# Altium PCB PLD.PcbDoc (part 1 of 4) (continued)
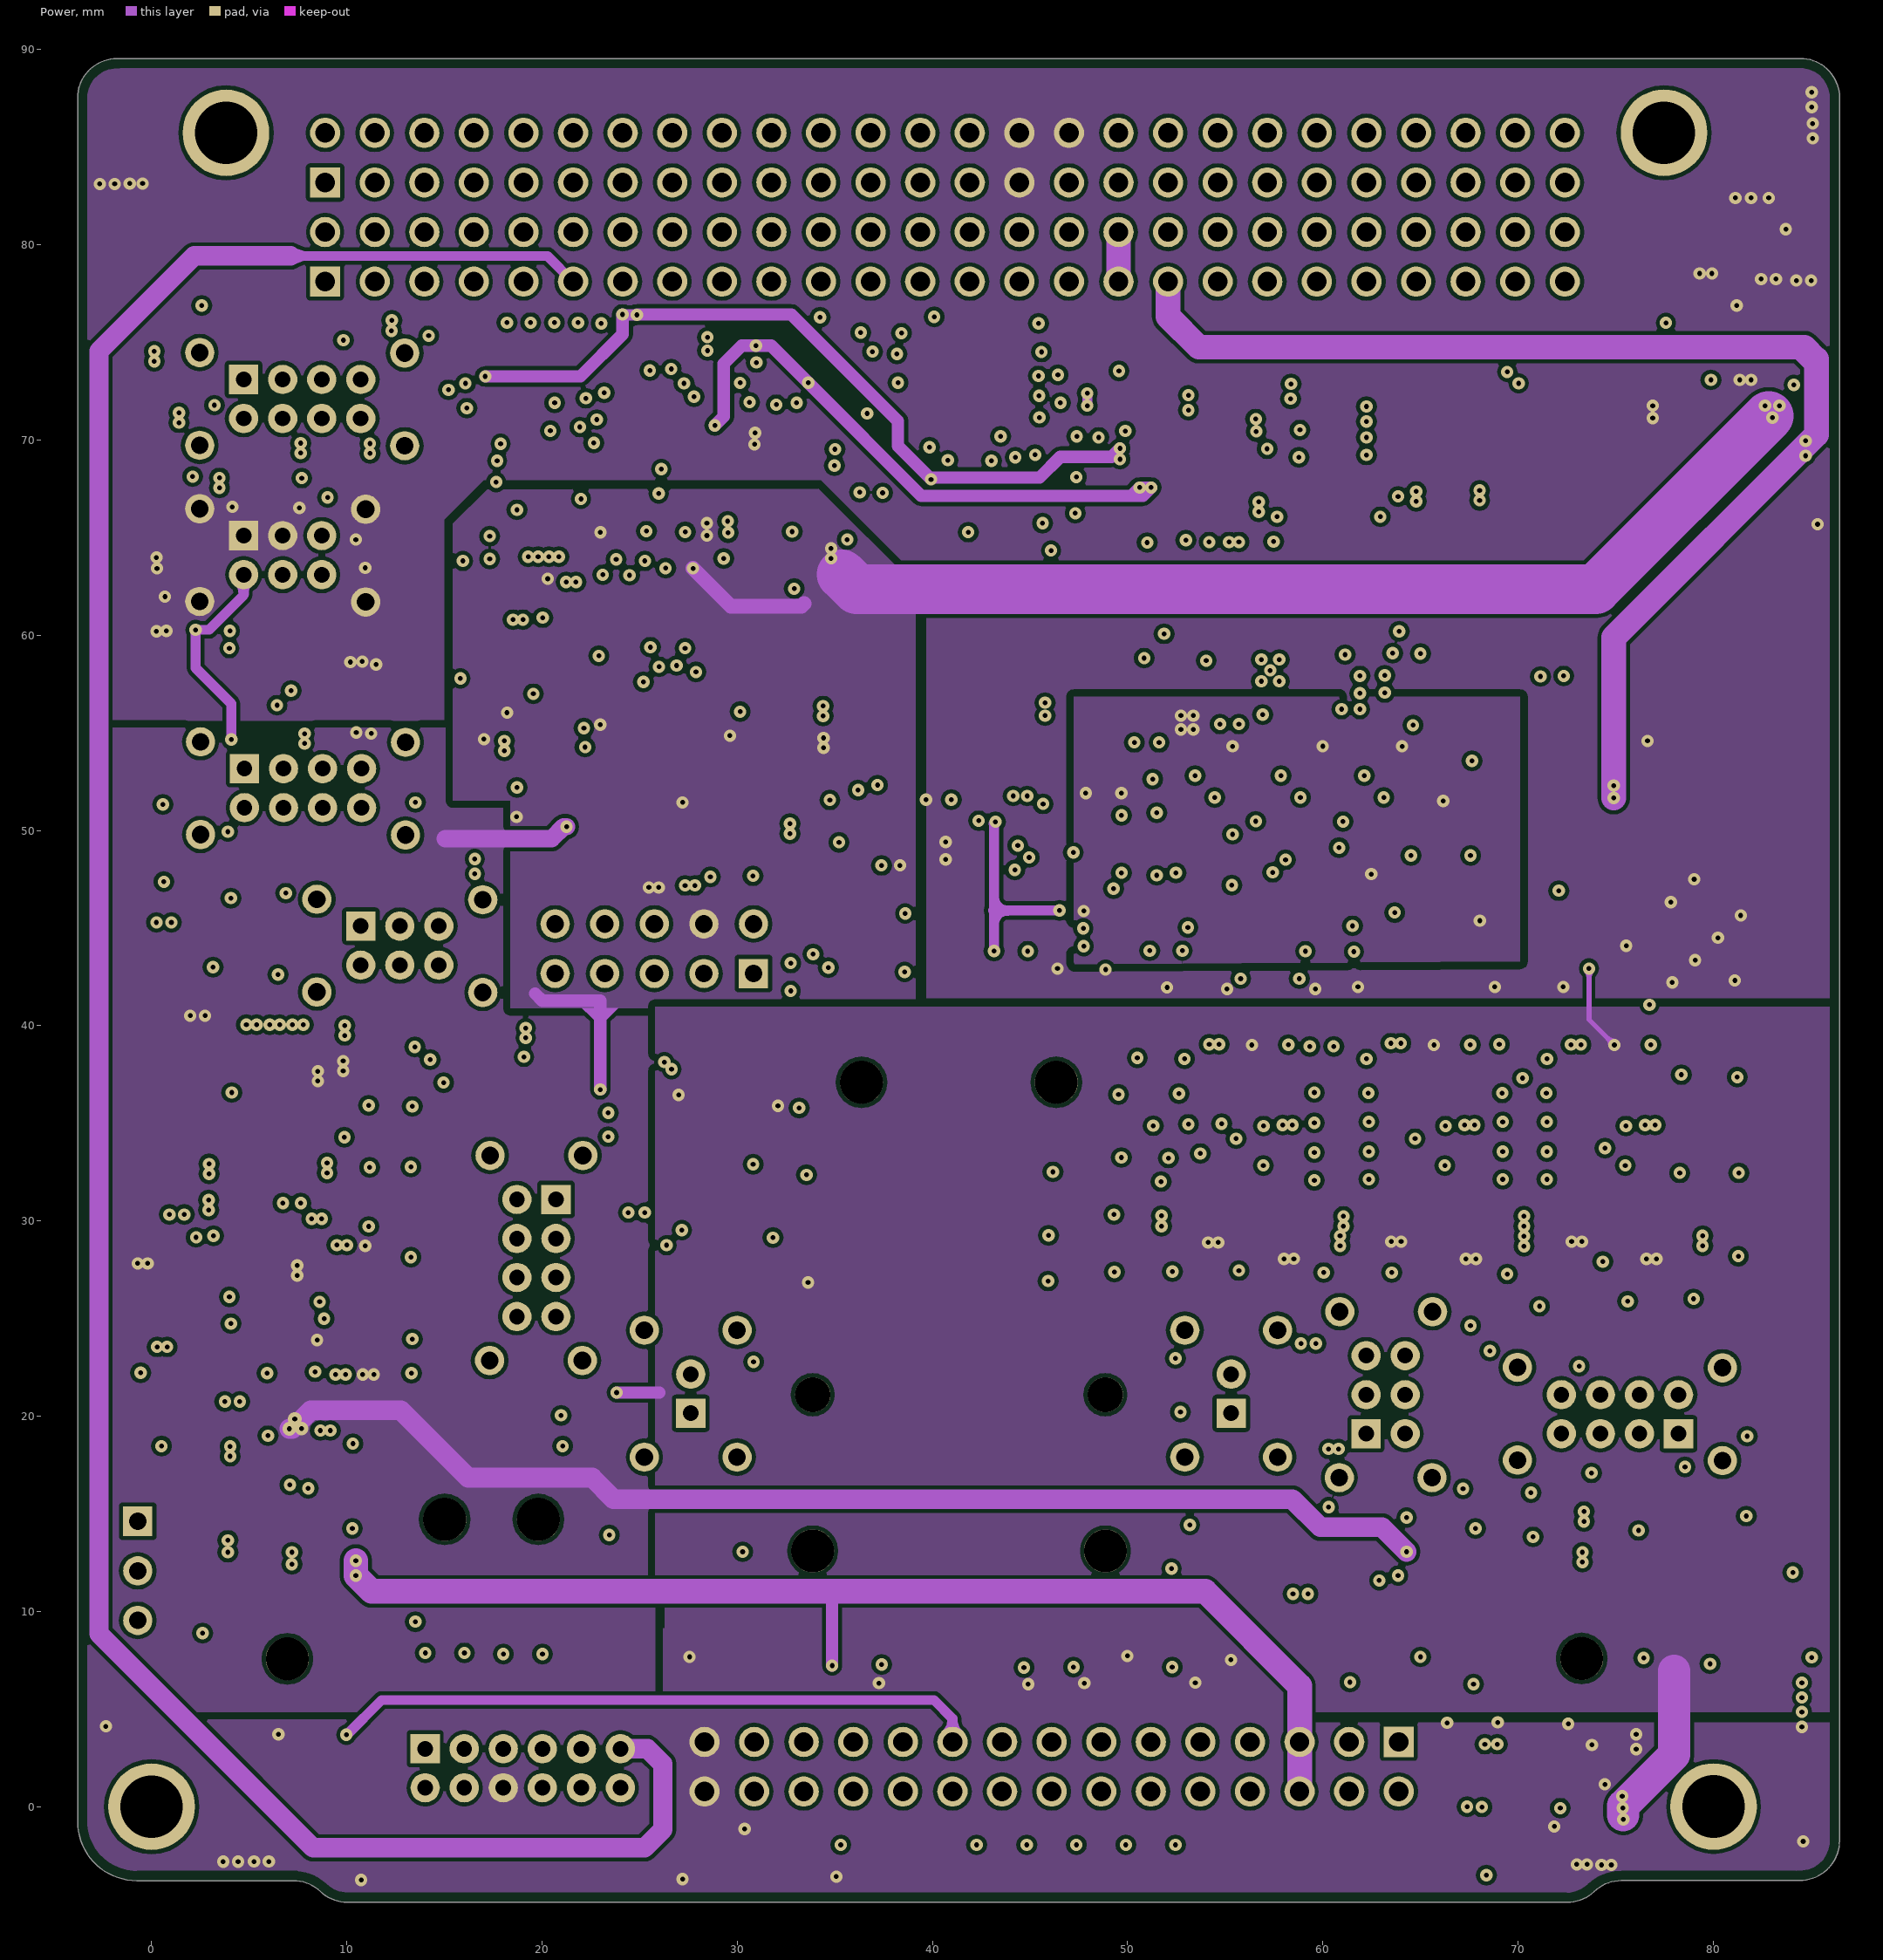
[diagram p4: Power]
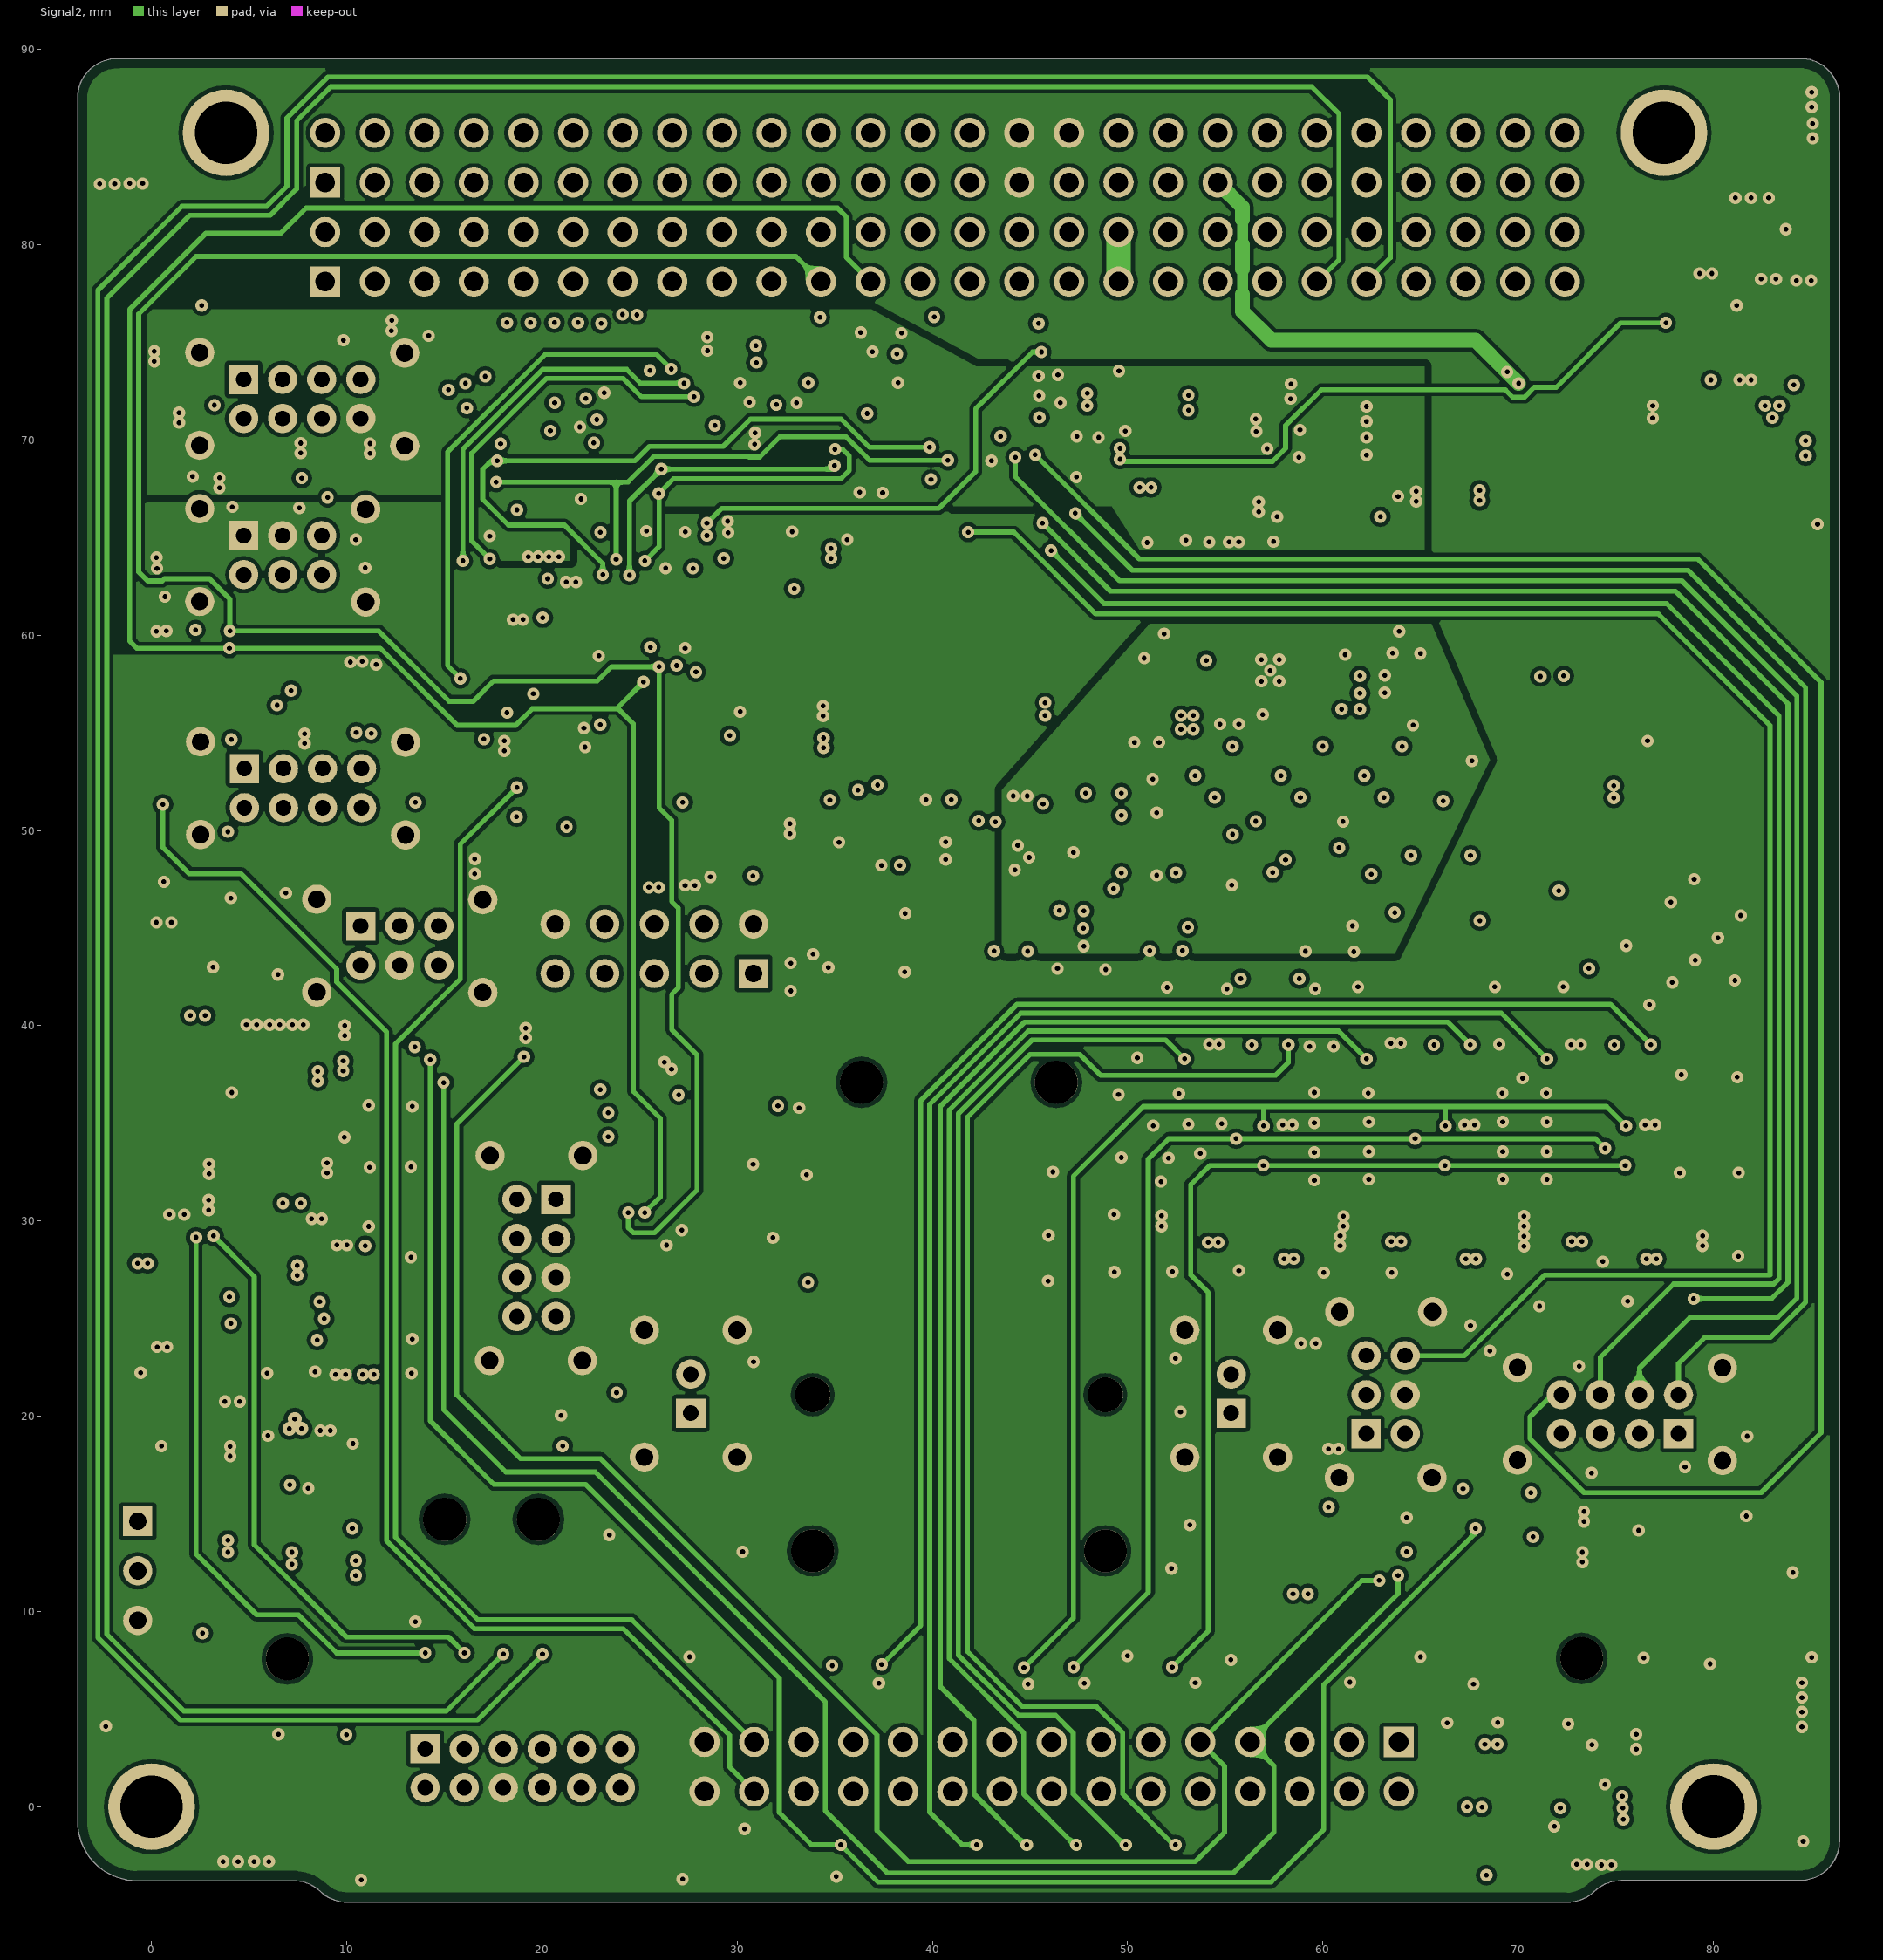
[diagram p5: Signal2]
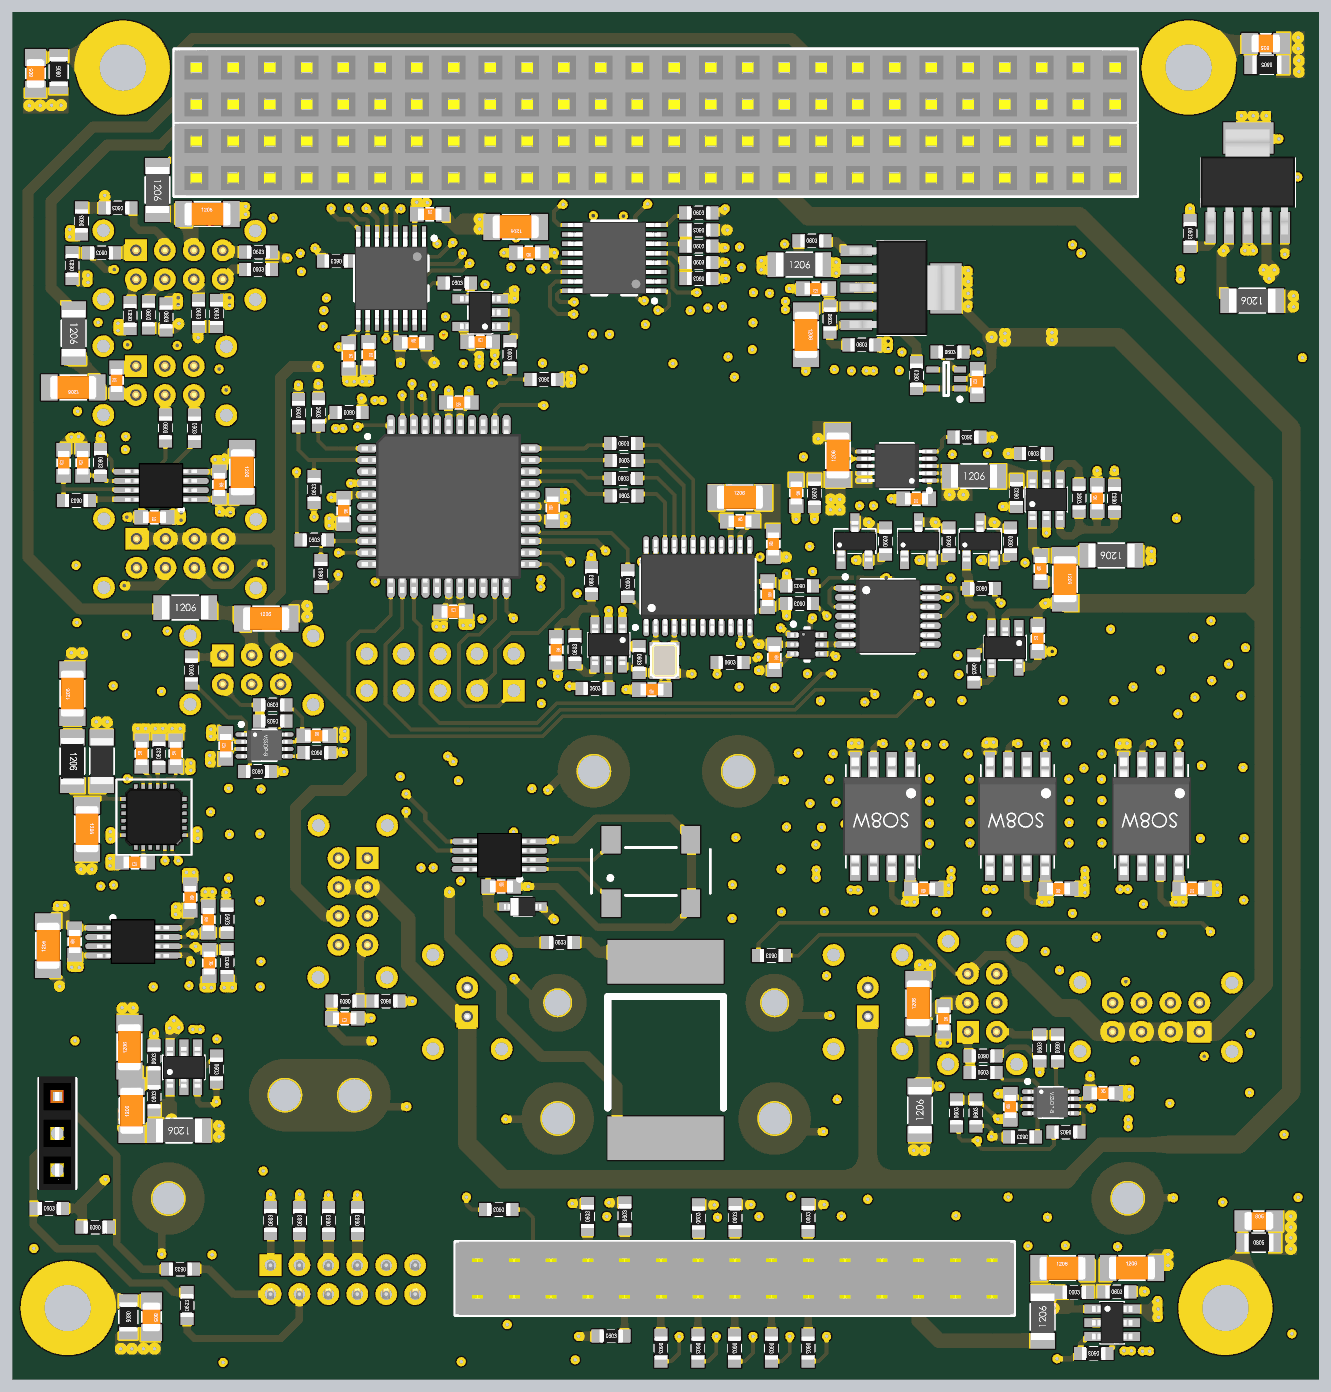
[diagram p9: 3D render of the assembled board from above, using the file's embedded part models]
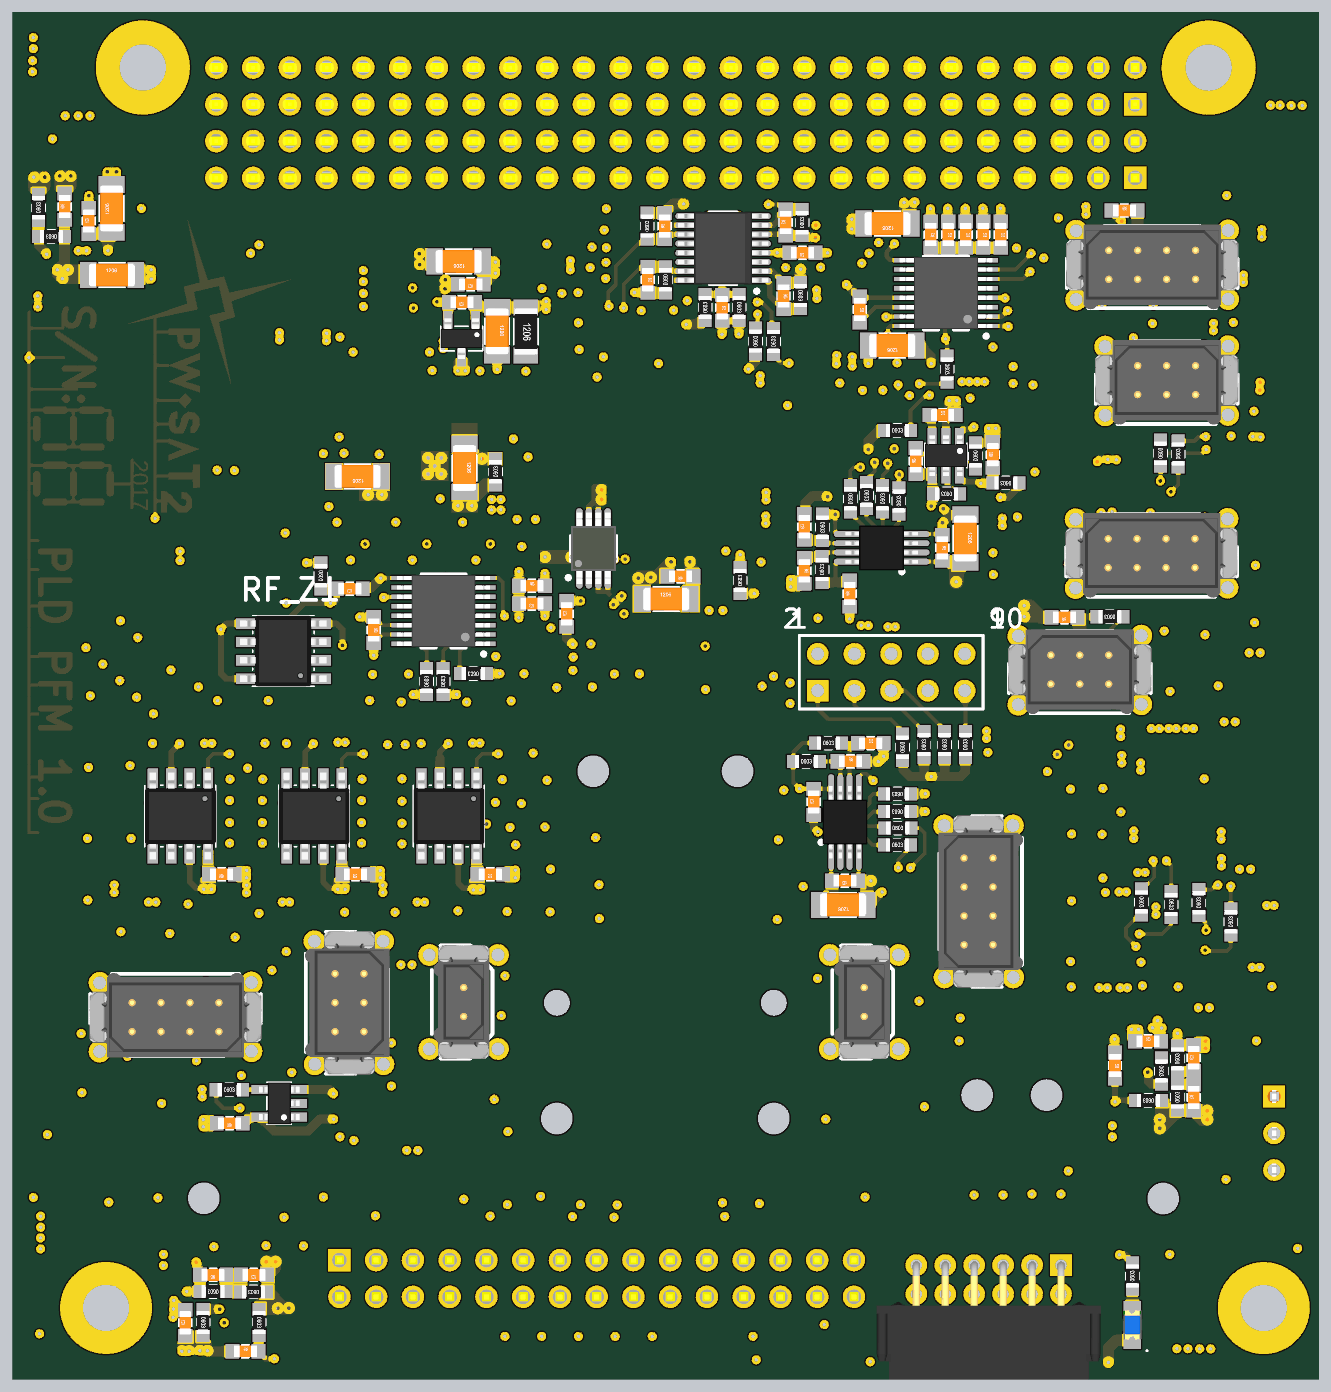
[diagram p10: 3D render of the assembled board from below, using the file's embedded part models]

## Layer stack, top to bottom
Top: signal copper 0.0356
Dielectric 1: core 0.32, FR-4, Dk 4.8
GND: signal copper 0.036
Dielectric 3: core 0.254, Dk 4.2
Signal Layer 1: signal copper 0.036
Dielectric 7: prepreg 0.127, Dk 4.2
Power: signal copper 0.036
Dielectric 6: prepreg 0.127, Dk 4.2
Signal2: signal copper 0.036
Dielectric 5: core 0.254, Dk 4.2
Bottom: signal copper 0.0356

## Board outline
-0.768,-3.789 7.264,-3.789 cw(c7.264,-5.789) 8.646,-4.344 ccw(c10.029,-2.899) 10.029,-4.899 72.514,-4.901 ccw(c72.514,-2.901) 73.9,-4.343 cw(c75.285,-5.785) 75.286,-3.785 84.252,-3.786 84.423,-3.782 ccw(c84.423,-1.742) 86.463,-1.742 86.463,87.536 ccw(c84.463,87.536) 84.463,89.536 84.463,89.537 -1.628,89.537 -1.786,89.529 ccw(c-1.786,87.529) -3.786,87.529 -3.786,-0.771 ccw(c-0.768,-0.771)

## Design rules (kind name [scope] priority, off if disabled: settings)
BoardOutlineClearance [All] p1: gap=0.5 ignorepadtopadclearanceinfootprint=FALSE
Clearance "Dense footprint" [HasFootprint('SMD_RESISTOR_ARRAY_YC124')  Or HasFootprint('MSOP-8') Or HasFootprint('VSSOP-8') Or HasFootprint('TSSOP14') Or HasFootprint('MSOP-10-M-thermal-pad') vs IsPad] p1: gap=0.178 ignorepadtopadclearanceinfootprint=FALSE except(0: Arc-Hole Track-Hole SMDPad-Hole THPad-Hole Via-Hole Fill-Hole Poly-Hole Region-Hole Text-Hole)
Clearance [All] p2: gap=0.203 ignorepadtopadclearanceinfootprint=FALSE except(0: Arc-Hole Track-Hole SMDPad-Hole THPad-Hole Via-Hole Fill-Hole Poly-Hole Region-Hole Text-Hole; 0.381: Poly-Poly)
ComponentClearance [All] p1: gap=0.01 collisioncheckmode=3 verticalgap=0 showdistances=TRUE
HoleSize [All] p1: absolutevalues=TRUE maxlimit=5.08 minlimit=0.025 maxpercent=80.000 minpercent=20.000
PlaneConnect [All] p1: planeconnectstyle=Direct reliefexpansion=0.508 reliefentries=4 reliefconductorwidth=0.254 reliefairgap=0.254
PolygonConnect [All] p1: connectstyle=Direct reliefconductorwidth=0.254 reliefentries=4 polygonreliefangle="90 Angle" airgapwidth=0.254
RoomDefinition "FRAM Memory 2" [InComponentClass('FRAM Memory 2')] p1: confinementstyle=ConfineIn formatcopy=TRUE lockcomponents=FALSE outline 61.239,27.761 68.631,27.761 68.631,38.556 61.239,38.556
RoomDefinition "FRAM Memory 1" [InComponentClass('FRAM Memory 1')] p2: confinementstyle=ConfineIn formatcopy=TRUE lockcomponents=FALSE outline 70.485,27.761 77.876,27.761 77.876,38.556 70.485,38.556
RoomDefinition "FRAM Memory 3" [InComponentClass('FRAM Memory 3')] p3: confinementstyle=ConfineIn formatcopy=TRUE lockcomponents=FALSE outline 51.918,27.761 59.309,27.761 59.309,38.556 51.918,38.556
RoomDefinition "Flash Memory 3" [InComponentClass('Flash Memory 3')] p4: confinementstyle=ConfineIn formatcopy=TRUE lockcomponents=FALSE outline 51.964,27.483 60.651,27.483 60.651,40.869 51.964,40.869
RoomDefinition "Flash Memory 2" [InComponentClass('Flash Memory 2')] p5: confinementstyle=ConfineIn formatcopy=TRUE lockcomponents=FALSE outline 61.286,27.483 69.973,27.483 69.973,40.869 61.286,40.869
RoomDefinition "Flash Memory 1" [InComponentClass('Flash Memory 1')] p6: confinementstyle=ConfineIn formatcopy=TRUE lockcomponents=FALSE outline 70.532,27.483 79.219,27.483 79.219,40.869 70.532,40.869
RoomDefinition Filter [InComponentClass('Filter')] p7: confinementstyle=ConfineIn formatcopy=TRUE lockcomponents=FALSE outline 47.345,47.194 52.552,47.194 52.552,51.385 47.345,51.385
RoomDefinition "I2C Repeater for PLD" [InComponentClass('I2C Repeater for PLD')] p8: confinementstyle=ConfineIn formatcopy=TRUE lockcomponents=FALSE outline 19.732,47.88 32.305,47.88 32.305,57.684 19.732,57.684
RoomDefinition "PC-104 Stack Connector" [InComponentClass('PC-104 Stack Connector')] p9: confinementstyle=ConfineIn formatcopy=TRUE lockcomponents=FALSE outline 6.661,76.414 74.225,76.414 74.225,87.59 6.661,87.59
RoomDefinition "SunS Ref. Interface" [InComponentClass('SunS Ref. Interface')] p10: confinementstyle=ConfineIn formatcopy=TRUE lockcomponents=FALSE outline -2.417,67.168 20.25,67.168 20.25,80.199 -2.417,80.199
RoomDefinition "LMT87 for supply" [InComponentClass('LMT87 for supply')] p11: confinementstyle=ConfineIn formatcopy=TRUE lockcomponents=FALSE outline 58.108,63.004 58.108,65.927 59.52,65.927 59.52,66.628 62.443,66.628 62.443,65.495 63.473,65.495 63.473,62.522 62.249,62.522 62.249,62.552 59.053,62.552 59.053,63.004
RoutingVias [All] p1: holewidth=0.2 width=0.635 viastyle="Through Hole" minholewidth=0.2 minwidth=0.635 maxholewidth=0.2 maxwidth=0.635
ShortCircuit [All vs IsText] p1: allowed=TRUE
SolderMaskExpansion [All] p1: expansion=0.102
Width [All] p1: maxlimit=5.08 minlimit=0.203 preferedwidth=0.254 midlayer2_maxwidth=1.27 midlayer3_maxwidth=1.27 minimp=50.000000 maximp=50.000000 favimp=50.000000
26 further rules are at their usual default settings.

## Classes and differential pairs
component class MemoryInterface: MEM_R1 MEM_R2 MEM_R3 MEM_R4 MEM_R5 MEM_R6 MEM_R7 MEM_R8 MEM_R9
net class PWR_AP: EPS_RTN PC-104_EPS_Kill-Switch_Pri PC-104_EPS_Kill-Switch_Sec PC-104_EPS_MPPT_X PC-104_EPS_MPPT_Y+ PC-104_EPS_MPPT_Y-
net class HK: HK_3V3 HK_3V3_OBC LMT87_SUPPLY
net class PWR_PLD: CAM_NADIR_3V3 CAM_WING_3V3 RF_5V SENS_3V3D SENS_4V1A SENS_4V5A STACK_CAM_NADIR_3V3 STACK_CAM_WING_3V3 STACK_SENS_5V STACK_SUNS_3V3 SUNS_3V3 SUNSREF_5V
net class UART_AP: NetAP_R1_1 NetAP_R2_1 NetAP_R3_1 NetAP_R4_1
net class PT1000: NetADC_C8_1 NetCONN_H3_6 NetCONN_H4_5 NetCONN_H4_7 NetCONN_H5_6 NetCONN_H6_6 NetCONN_H6_8 PT1000_SADS PT1000_SAIL
net class Photodiodes: IN_A IN_B IN_C IN_D OUT_A OUT_B OUT_C OUT_D
component class Gyroscopes: Gyro_C1 Gyro_C2 Gyro_C3 Gyro_C4 Gyro_C5 Gyro_FB1 Gyro_R1 Gyro_R2 Gyro_U1
channel class PLD_FRAM-Memory: "FRAM Memory 1" "FRAM Memory 2" "FRAM Memory 3"
channel class PLD_Flash-Memory: "Flash Memory 1" "Flash Memory 2" "Flash Memory 3"
component class RadFET_ADC: ADC_J2 RF_C1 RF_C2 RF_C3 RF_C4 RF_C5 RF_C6 RF_C7 RF_R1 RF_R2 RF_R25 RF_R26 RF_R27 RF_U1 RF_U2 RF_U3
component class "FRAM Memory 3": "FRAM_C1_FRAM Memory 3" "U4_FRAM Memory 3"
component class "FRAM Memory 2": "FRAM_C1_FRAM Memory 2" "U4_FRAM Memory 2"
component class "Flash Memory 2": "Flash_C1_Flash Memory 2" "Flash_U1_Flash Memory 2"
component class "Flash Memory 1": "Flash_C1_Flash Memory 1" "Flash_U1_Flash Memory 1"
component class "PLD Top": OBC_D1 OBC_R1 SADS_RTD1
component class Watchdog: RF_C20 RF_C21 RF_R21 RF_R22 RF_U10
component class "SunS Ref. Interface": SunSref_R1 SunSref_R2 SunSref_R3 SunSref_R4 SunSref_R5 SunSref_R6 SunSref_R7 SunSref_R8 SunSref_R9 SunSref_R10
component class RTC: RTC_C1 RTC_C2 RTC_D1 RTC_R1 RTC_U1 RTC_XT1
component class PLD_Connectors: CONN_C1 CONN_C2 CONN_C3 CONN_C4 CONN_H1 CONN_H2 CONN_H3 CONN_H4 CONN_H5 CONN_H6 CONN_H7 CONN_H8 CONN_H9 CONN_H10 CONN_P1 CONN_R1 CONN_R2 CONN_R3 CONN_R4 CONN_R5 MNT1 MNT2 MNT3 MNT4
component class "Piggyback Connector": PG_R1 Piggyback_H1
component class "PC-104 Stack Connector": H1 H2
component class "Local Supply": SUPP_C1 SUPP_C2 SUPP_C3 SUPP_C4 SUPP_C5 SUPP_C6 SUPP_C7 SUPP_C8 SUPP_C9 SUPP_C10 SUPP_C11 SUPP_C12 SUPP_C13 SUPP_C14 SUPP_C15 SUPP_C16 SUPP_C17 SUPP_C18 SUPP_C19 SUPP_C20 SUPP_C21 SUPP_C22 SUPP_C23 SUPP_C24 SUPP_C25 SUPP_C26 SUPP_C27 SUPP_C28 SUPP_C29 SUPP_C30 SUPP_C31 SUPP_C32 SUPP_FB1 SUPP_FB2 SUPP_FB3 SUPP_FB4 SUPP_FB5 SUPP_FB6 SUPP_FB7 SUPP_FB8 SUPP_FB9 SUPP_R1 SUPP_R2 SUPP_R3 SUPP_R4 SUPP_R5 SUPP_R6 SUPP_R7 SUPP_R8 SUPP_R9 SUPP_R10 SUPP_R11 SUPP_R12 SUPP_R13 SUPP_R14 SUPP_R15 SUPP_R16 SUPP_R17 SUPP_R18 SUPP_R19 SUPP_R20 SUPP_R21 SUPP_REF1 SUPP_U1 SUPP_U2 SUPP_U3 SUPP_U4
component class "Flash Memory 3": "Flash_C1_Flash Memory 3" "Flash_U1_Flash Memory 3"
component class "8 CH PT1000 interface": TMP_IF_C1 TMP_IF_U1
component class AccessPortInterface: AP_R1 AP_R2 AP_R3 AP_R4 AP_R5 AP_R6 AP_R7 AP_R8
component class "ADC MUX": ADC_MUX_C1 ADC_MUX_R1 U3
component class ADC: ADC_C1 ADC_C2 ADC_C3 ADC_C4 ADC_C5 ADC_C6 ADC_C7 ADC_C8 ADC_C10 ADC_C11 ADC_C12 ADC_C13 ADC_J1 ADC_R1 ADC_R2 ADC_R3 ADC_R4 ADC_R6 ADC_U1 ADC_U2
component class "AVR interface": AVR_C1 AVR_C2 AVR_C3 AVR_C4 AVR_C6 AVR_P1 AVR_U1 MCU_R1 MCU_R2 MCU_R3 MCU_R4 MCU_R5 MCU_R6 MCU_R7 MCU_R8 MCU_R9 MCU_R10 MCU_R11 MCU_R12 MCU_R13 R1
component class "FRAM Memory 1": "FRAM_C1_FRAM Memory 1" "U4_FRAM Memory 1"
component class Housekeeping: HK_R1 HK_R2 HK_R3 HK_R4
component class "I2C Repeater for SunS": "I1_I2C Repeater for SENS4" "I1_I2C Repeater for SunS" "I2_I2C Repeater for SENS4" "I2_I2C Repeater for SunS" "I3_I2C Repeater for SunS" "I4_I2C Repeater for SunS" "I5_I2C Repeater for SunS" "I6_I2C Repeater for SunS" "I7_I2C Repeater for SunS" "I8_I2C Repeater for SENS4" "I8_I2C Repeater for SunS" "I9_I2C Repeater for SENS4" "I9_I2C Repeater for SunS" "I10_I2C Repeater for SunS" "I11_I2C Repeater for SunS" "I12_I2C Repeater for SunS"
component class "I2C Repeater for PLD": "I1_I2C Repeater for PLD" "I1_I2C Repeater for SENS4" "I2_I2C Repeater for PLD" "I2_I2C Repeater for SENS4" "I3_I2C Repeater for PLD" "I4_I2C Repeater for PLD" "I5_I2C Repeater for PLD" "I6_I2C Repeater for PLD" "I7_I2C Repeater for PLD" "I8_I2C Repeater for PLD" "I8_I2C Repeater for SENS4" "I9_I2C Repeater for PLD" "I9_I2C Repeater for SENS4" "I10_I2C Repeater for PLD" "I10_I2C Repeater for SENS4" "I11_I2C Repeater for PLD" "I12_I2C Repeater for PLD" "IIC_R1_I2C Repeater for SENS4"
component class "I2C Repeater for RTC": "I1_I2C Repeater for RTC" "I1_I2C Repeater for SENS4" "I2_I2C Repeater for RTC" "I2_I2C Repeater for SENS4" "I3_I2C Repeater for RTC" "I4_I2C Repeater for RTC" "I5_I2C Repeater for RTC" "I5_I2C Repeater for SENS4" "I6_I2C Repeater for RTC" "I7_I2C Repeater for RTC" "I8_I2C Repeater for RTC" "I8_I2C Repeater for SENS4" "I9_I2C Repeater for RTC" "I9_I2C Repeater for SENS4" "I10_I2C Repeater for RTC" "I10_I2C Repeater for SENS4" "I11_I2C Repeater for RTC" "I11_I2C Repeater for SENS4" "I12_I2C Repeater for RTC" "I12_I2C Repeater for SENS4" "IIC_R1_I2C Repeater for SENS4"
component class "LMT87 for supply": TMP_LMT_C1 TMP_LMT_R1 TMP_LMT_R2 U1
component class Photodiodes: PHD_C1 PHD_C2 PHD_C3 PHD_C4 PHD_C5 PHD_C6 PHD_C8 PHD_R1 PHD_R2 PHD_R3 PHD_R4 PHD_R5 PHD_R6 PHD_U1
component class "PT1000 interface": TMPI_R1
component class "Sail interface": LI_C1 LI_R1 LI_R2
component class "UART-Buffer&MUX for CAMs": MUX_C1 MUX_C2 MUX_C3 MUX_C4 MUX_C5 MUX_R1 MUX_R2 MUX_R3 MUX_R4 MUX_R5 MUX_R6 MUX_R7 MUX_R8 MUX_R9 MUX_R10 MUX_R11 MUX_R12 MUX_R13 MUX_R14 MUX_R15 MUX_R16 MUX_U1 MUX_U2 MUX_U3
channel class PLD_I2C-Repeater: "I2C Repeater for PLD" "I2C Repeater for RTC" "I2C Repeater for SunS"
component class "Channel selector": RF_C10 RF_R6 RF_R23 RF_R24 RF_U6
component class "Current source": RF_C8 RF_C9 RF_R3 RF_R4 RF_R5 RF_U4 RF_Z1
component class Filter: RF_C17 RF_C18 RF_C19 RF_R14 RF_R15
component class "LCL 3V3d": "RF_C22_LCL 3V3d" "RF_R8_LCL 3V3d" "RF_R9_LCL 3V3d" "RF_R19_LCL 3V3d" "RF_R20_LCL 3V3d" "RF_U9_LCL 3V3d"
component class "LCL 5V": "RF_C22_LCL 5V" "RF_R8_LCL 5V" "RF_R9_LCL 5V" "RF_R19_LCL 5V" "RF_R20_LCL 5V" "RF_U9_LCL 5V"
component class P-MOSFET: RF_C11 RF_J2 RF_J3 RF_Q1 RF_Q2 RF_Q3 RF_R7 RF_R16 RF_R17 RF_R18 RF_U7 RF_U8
component class "Radfet Supply": FS_U1 RF_C12 RF_C13 RF_C14 RF_C15 RF_C16 RF_FB1 RF_R10 RF_R11 RF_R12 RF_R13
component class RadFET: RF_J1
channel class PLD_RadFET_LCL: "LCL 3V3d" "LCL 5V"
net class I2C_BUS: NetAP_R5_1 NetAP_R6_1 PC-104_I2C-BUS-SCL PC-104_I2C-BUS-SDA
net class I2C_PLD: NetAP_R7_1 NetAP_R8_1 NetCONN_H10_5 NetCONN_H10_6 NetGyro_U1_23 NetGyro_U1_24 "NetI3_I2C Repeater for RTC_1" "NetI6_I2C Repeater for RTC_1" PC-104_I2C-PAYLOAD_SCL PC-104_I2C-PAYLOAD_SDA SCL SDA
net class SPI: MISO_R MOSI_R PIGGYBACK_SPI-CLK_PE5 PIGGYBACK_SPI-MISO_PE6 PIGGYBACK_SPI-MOSI_PE7 SCK_R
net class SPI_CS: FLASH1_R FLASH2_R FLASH3_R FRAM1_R FRAM2_R FRAM3_R PIGGYBACK_GPIO_PA8 PIGGYBACK_GPIO_PA9 PIGGYBACK_GPIO_PA10 PIGGYBACK_GPIO_PA11 PIGGYBACK_GPIO_PA12 PIGGYBACK_GPIO_PA13
net class UART_CAM: NetCONN_H3_1 NetCONN_H3_4 NetCONN_H5_1 NetCONN_H5_4 NetMUX_R3_1 NetMUX_R4_1 NetMUX_R5_2 NetMUX_R6_2 NetMUX_R9_2 NetMUX_R10_2 NetMUX_R11_1 NetMUX_R12_1 NetMUX_R13_1 NetMUX_R13_2 NetMUX_R14_1 PIGGYBACK_GPIO_PB12 PIGGYBACK_UART-RX_PF7 PIGGYBACK_UART-TX_PF6
net class SunS-ref: NetADC_C1_1 NetADC_C2_1 NetADC_C3_1 NetADC_C4_1 NetADC_C6_1 NetCONN_H1_1 NetCONN_H1_2 NetCONN_H1_4 NetCONN_H1_6 NetCONN_H1_7
net class PWR_Knives: EPS_RTN PC-104_LCL_SADSMAIN PC-104_LCL_SADSRED PC-104_LCL_SAILMAIN PC-104_LCL_SAILRED
component class "I2C Repeater for Gyro": "I1_I2C Repeater for Gyro" "I2_I2C Repeater for Gyro" "I3_I2C Repeater for Gyro" "I4_I2C Repeater for Gyro" "I5_I2C Repeater for Gyro" "I6_I2C Repeater for Gyro" "I7_I2C Repeater for Gyro" "I8_I2C Repeater for Gyro" "I9_I2C Repeater for Gyro" "I10_I2C Repeater for Gyro" "I11_I2C Repeater for Gyro" "I12_I2C Repeater for Gyro"
net class PWR_OBC_BUS: NetSUPP_C27_1 OBC_BUS_3V3 PG_OBC_3V3
net class PWR_OBC_PLD: NetSUPP_C17_1 OBC_PLD_3V3 PG_OBC_3V3
